# KiCad board gmsl-deserializer.kicad_pcb (continued)
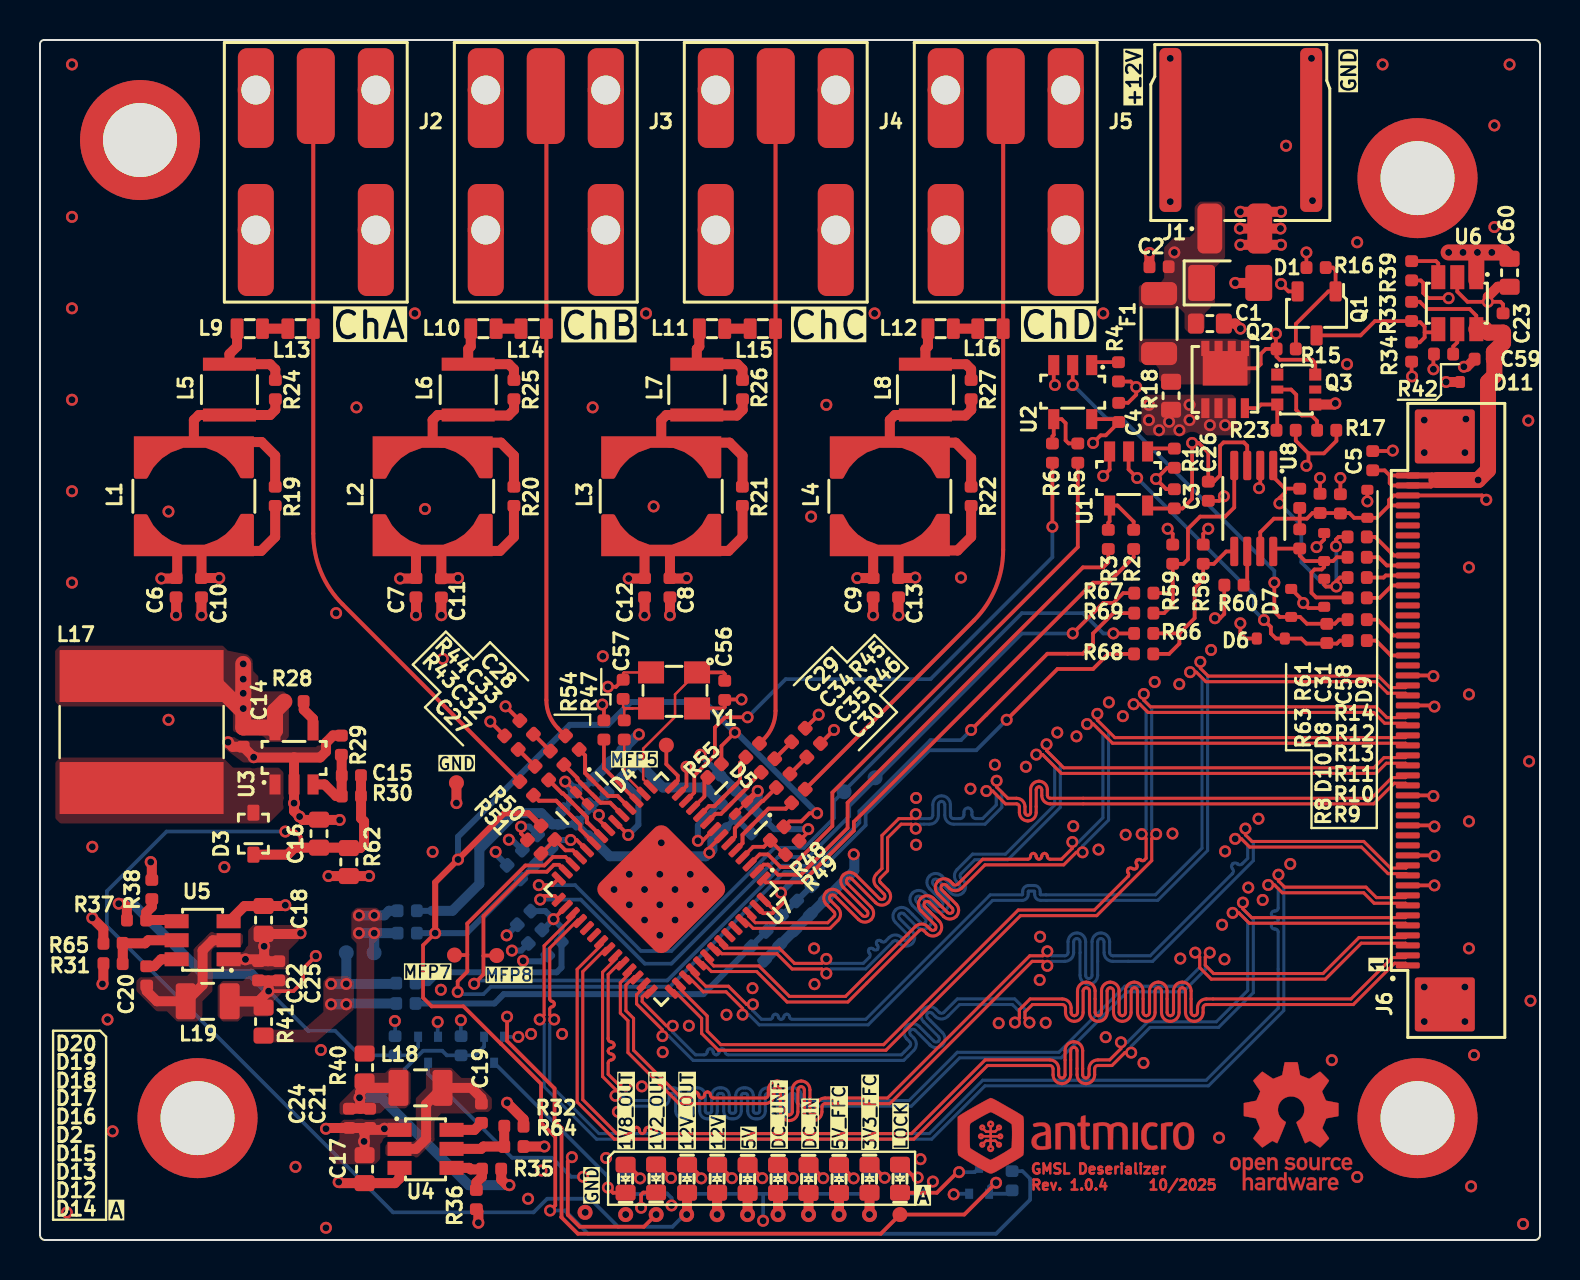
[diagram p0: board, top side]
## Routing (per net, layer and track width the routed paths; a pad name or vN(x,y) marks a point on that pad's centre or on a via; arc(x,y) is an arc through that point) (continued)
  Top w0.187: Q3.6 63.76,43.86 63.6,44.01 61.98,44.01 61.82,44.17 61.82,44.55 ; Q2.5 60.83,43.59 61.03,43.79 61.03,44.3 61.29,44.55 61.82,44.55 61.82,44.55 ; 61.82,44.55 61.8,44.58 v1(61.8,45.31)
  Top w0.5: D15.2 v1(38.43,1.27)
  In2.Cu w0.187: v1(61.8,45.31) 64.84,48.36 64.84,55.86 66.56,57.57 72.03,57.57 73.59,56.01 73.59,49.12 73.28,48.82 73.28,2.38 71.62,0.71 39.09,0.71 38.43,1.37
/Connectors/DC_UNFUSED: length 115.2
  Top w0.5: D2.2 v1(36.9,1.27)
  In2.Cu w0.187: 36.9,1.37 37.91,0.36 71.71,0.36 73.6,2.25 73.6,48.69 73.9,48.99 73.9,56.13 72.16,57.88 63.95,57.88 56.72,50.65 v1(56.72,49.38)
/Connectors/FFC_3V3: length 83.5
  Top w0.187: v1(72.31,37.01) 72.1,37.23 J6.48 67.68,37.23 67.45,37 67.45,36.73 ; 62.96,36.07 61.69,36.07 61.01,35.39 U8.7 ; 62.96,36.07 62.99,36.09 62.99,36.6 ; 62.96,36.07 62.99,36.04 62.99,35.54 ; 62.96,36.07 63.34,36.07 63.63,36.35 65.47,36.35 65.7,36.11 D9.2 66.84,36.11 67.45,36.73 ; 67.45,36.73 J6.47
  Top w0.5: D12.2 v1(41.48,1.27)
  In2.Cu w0.187: v1(72.31,37.01) 72.87,36.45 72.87,2.41 71.53,1.06 41.79,1.06 41.48,1.37
/Connectors/FFC_5V: length 92.3
  Top w0.187: J6.49 67.6,37.73 67.48,37.85 67.48,38.23 ; 67.48,38.23 67.23,38.48 66.64,38.48 ; 67.48,38.23 J6.50 ; U6.6 71.82,46.22 71.48,46.55 69.35,46.55 68.99,46.91 68.58,46.91
  Top w0.3: J6.50 69.59,38.23 69.82,38 69.55,37.73 J6.49
  Top w0.5: D13.2 v1(39.95,1.27)
  Top w0.8: U6.6 71.84,45.57 72.21,45.57 72.41,45.37 73.15,45.37 73.15,44.86 72.69,44.4 72.69,44.04 72.72,44.02 72.72,43.22 72.4,42.9 72.4,38.49 v1(71.91,38) 69.82,38
  In2.Cu w0.187: v1(71.91,38) 71.77,37.87 71.77,36.55 72.56,35.76 72.56,2.54 71.48,1.46 42.12,1.46 41.69,1.89 40.47,1.89 39.95,1.37
/Connectors/MFP0: length 26
  Top w0.187: 36.14,18.03 36.29,17.88 38.11,17.88 40.69,20.47 40.69,20.91 52.65,32.87 53.41,32.87 54.68,34.14 54.68,34.54
/Connectors/MFP1: length 25.9
  Top w0.187: 35.79,18.38 36.18,18.77 36.4,18.77 36.9,18.26 38.05,18.26 40.38,20.6 40.38,21.87 52.14,33.63 53.16,33.63 53.41,33.88 53.41,34.54
/Connectors/MFP2: length 28.8
  Top w0.187: 51.89,38.86 51.89,34.65 39.62,22.37 39.62,20.7 37.56,18.64 37.03,18.64 36.4,19.28 35.98,19.28 35.44,18.74
/Connectors/MFP3: length 29.4
  Top w0.187: v1(35.38,26.14) 34.26,26.14 33.74,25.62 33.74,24.25 32.71,23.22 32.71,22.37 32.26,21.92 ; v1(50.62,35.66) 50.62,38.86
  Bottom w0.187: v1(50.62,35.66) 50.62,34.14 44.52,28.04 37.29,28.04 v1(35.38,26.14)
/Connectors/MFP4: length 54.1
  Top w0.187: v1(47.8,2.86) 46.21,1.27 TP1.1 42.04,0.31 26.89,0.31 26.07,1.14 26.08,1.15 26.08,5.6 25.73,5.94 25.73,7.58 23.35,9.95 v1(23.35,11.16) ; v1(32.32,23.66) 32.32,22.69 31.9,22.27
  In2.Cu w0.187: v1(32.32,23.66) 31.2,22.54 31.2,20.85 28.01,17.66 28.01,16.04 23.35,11.38 v1(23.35,11.16)
  Bottom w0.187: R73.1 48.43,2.31 Q6.1 47.45,2.66 47.65,2.86 v1(47.8,2.86)
/Connectors/MFP5: length 2.5
  Top w0.187: TP2.1 31.32,23.79 31.89,23.22 31.89,22.96 31.55,22.62
/Connectors/MFP7: length 52.4
  Top w0.187: TP3.1 21.35,14.25 21.36,14.26 ; v1(48.33,26.01) 50.87,28.55 52.65,28.55 53.41,29.31 54.7,29.31 ; 21.36,14.26 21.36,15.82 24.27,18.73 25.22,18.73 25.64,19.15 26.27,19.15 26.69,18.74 ; 21.36,14.26 21.36,13.41 20.88,12.93 v1(20.88,12.4)
  Bottom w0.187: v1(48.33,26.01) 46.81,24.49 44.46,24.49 41.28,21.31 41.28,20.73 38.95,18.4 37.23,18.4 31.49,12.66 22.54,12.66 22.17,12.29 20.99,12.29 v1(20.88,12.4)
/Connectors/MFP8: length 50.9
  Top w0.187: v1(21.71,12.81) 22.17,13.28 22.17,14.21 ; v1(46.56,25.5) 50.37,29.31 52.14,29.31 52.65,29.82 52.65,30.33 53.67,31.34 54.71,31.34 ; TP4.1 22.18,14.22 22.17,14.21 ; 22.17,14.21 22.17,16.19 24.4,18.41 25.35,18.41 25.69,18.76 25.96,18.76 26.33,18.38
  Bottom w0.187: v1(21.71,12.81) 21.87,12.97 31.36,12.97 37.1,18.71 38.82,18.71 40.97,20.86 40.97,21.44 44.52,24.99 46.05,24.99 v1(46.56,25.5)
/Connectors/PoCA: length 38.8
  Top w0.2: 13.66,58.09 13.79,58.21 ; 23.99,22.92 15.13,31.78 arc(14.04,33.41) 13.66,35.32 L13.2 13.66,57.17 13.79,57.3 ; 13.66,57.63 13.79,57.76
/Connectors/PoCB: length 32.5
  Top w0.2: 25.29,57.3 25.32,57.27 L14.2 25.32,26.99 arc(25.47,26.23) 25.9,25.58 26.27,25.21 ; 25.32,57.73 25.29,57.76
/Connectors/PoCC: length 32.7
  Top w0.2: 36.78,57.75 36.79,57.76 ; 35.98,24.83 36.19,25.04 arc(36.62,25.69) 36.78,26.46 L15.2 36.78,57.29 36.79,57.3
/Connectors/PoCD: length 38.9
  Top w0.2: 38.26,22.54 46.69,30.97 arc(47.78,32.6) 48.16,34.51 L16.2 48.16,57.17 48.29,57.3 ; 48.16,57.63 48.29,57.76
/Connectors/SCL: length 40.1
  Top w0.187: 54.71,32.34 54.16,32.34 53.67,31.85 53.16,31.85 v1(51.64,30.33) ; v1(25.01,17.02) 25.19,17.2 25.74,17.2 U7.29
  Bottom w0.187: v1(25.01,17.02) 27.04,17.02 30.24,13.82 31.57,13.82 36.9,19.15 38.43,19.15 40.46,21.18 40.46,21.69 49.1,30.33 v1(51.64,30.33)
/Connectors/SCL_CAM: length 13.6
  Top w0.187: 65.38,35.15 64.93,35.15 64.8,35.02 v1(64.8,34.69) ; 62.25,37.57 62.25,37.36 61.97,37.09 v1(61.97,36.83) ; 62.25,37.57 62.99,37.57 ; 62.25,37.57 61.66,38.16 U8.1 ; 64.21,33.19 64.21,32.76 64.3,32.67 v1(64.81,32.67) 64.81,32.94 65,33.12 65.38,33.12
  Bottom w0.187: v1(64.8,34.69) 64.81,34.67 v1(64.81,32.67) 64.28,32.67 63.07,33.88 63.07,35.74 v1(61.97,36.83)
/Connectors/SCL_CAM0: length 2.1
  Top w0.187: 66.35,33.12 67.18,33.12 67.29,33.23 J6.40
/Connectors/SCL_CAM1: length 2.4
  Top w0.187: J6.42 67.68,34.23 66.76,35.15 66.35,35.15
/Connectors/SDA: length 40.2
  Top w0.187: 54.7,30.33 54.7,30.33 v1(53.67,30.33) ; v1(24.94,17.74) 25.61,17.74 U7.28
  Bottom w0.187: v1(24.94,17.74) 26.76,17.74 30.05,14.45 31.57,14.45 36.73,19.61 38.21,19.61 39.7,21.1 39.7,21.95 49.1,31.34 52.14,31.34 53.16,30.33 v1(53.67,30.33)
/Connectors/SDA_CAM: length 8.3
  Top w0.187: 65.38,34.14 64.84,34.14 64.65,33.95 D8.2 ; D8.2 63.26,33.95 62.99,34.22 62.99,34.57 61.8,34.57 U8.8 ; D8.2 64.21,33.65 64.09,33.53 63.73,33.53 63.57,33.38 63.57,32.36 63.81,32.13 65.35,32.13 65.38,32.11
/Connectors/SDA_CAM0: length 2.3
  Top w0.187: 66.35,32.11 66.98,32.11 67.6,32.73 J6.39
/Connectors/SDA_CAM1: length 2.2
  Top w0.187: J6.41 67.34,33.73 66.93,34.14 66.35,34.14
/Connectors/VSYNC_CAM0: length 16.2
  Top w0.187: U1.2 54.43,38.53 v1(54.86,38.1) ; 65.38,29.97 64.99,29.97 64.84,29.82 64.36,29.82 64.34,29.84 64.32,29.82 63.32,29.82 63.07,30.07 61.8,30.07 61.54,30.33 61.54,30.66 v1(61.2,31)
  Bottom w0.187: v1(54.86,38.1) 60.7,32.26 60.7,31.5 v1(61.2,31)
/Connectors/VSYNC_CAM1: length 21
  Top w0.187: v1(51.64,42.75) U2.2 ; v1(61.72,32.87) 61.72,31.42 61.99,31.15 D7.2 63,31.15 63.34,30.81 64.74,30.81 64.95,31.02 65.38,31.02
  Bottom w0.187: v1(61.72,32.87) 61.72,33.46 54.1,41.08 53.33,41.08 51.66,42.75 v1(51.64,42.75)
/Deserializer/CAP_VDD: length 14.8
  Top w0.187: v1(29.41,20.25) 28.81,20.86 ; 33.67,20.5 33.13,19.96 v1(32.89,19.96)
  Bottom w0.3: v1(32.89,19.96) 32.89,20.73 34.02,21.86 ; v1(29.41,20.25) 29.92,20.76 29.92,22.2 29.12,23 29.12,23.13 ; C38.2 C41.2
  Bottom w0.5: C44.2 C47.2 31.15,22.62 C41.2 ; 29.12,23.13 29.91,23.92
/Deserializer/CFG0: length 2.8
  Top w0.187: 35.08,19.09 35.66,19.66 36.19,19.66 36.51,19.98 37.17,19.32 37.2,19.32
/Deserializer/CFG1: length 2.7
  Top w0.187: 27.04,19.09 26.65,19.48 26.27,19.48 R50.1 25.73,20 25.05,19.32
/Deserializer/PWDNB: length 1.9
  Top w0.187: 33.39,23.13 33.22,22.96 33.22,22.17 32.61,21.56
/Deserializer/SIOA_N: length 4
  Top w0.2: 28.1,20.15 27.37,20.88 27.34,20.88 27.34,21.14 D4.7 D4.4 26.15,22.33 26.11,22.33 25.44,23
/Deserializer/SIOA_P: length 4.2
  Top w0.2: 24.67,22.24 24.95,21.96 25.81,21.96 D4.5 27.01,20.76 27.01,20.53 27.75,19.8
/Deserializer/SIOB_N: length 4.1
  Top w0.2: 29.16,21.21 28.51,21.86 28.03,21.86 D4.9 D4.2 26.87,23.02 26.87,23.09 26.2,23.76
/Deserializer/SIOB_P: length 4.3
  Top w0.2: 29.52,21.56 28.88,22.2 28.4,22.2 D4.10 D4.1 27.25,23.35 27.25,24.23 26.96,24.52
/Deserializer/SIOC_N: length 3.8
  Top w0.2: 33.32,20.86 33.77,21.31 34.05,21.31 D5.4 35.38,22.64 35.38,22.71 36.05,23.38
/Deserializer/SIOC_P: length 4.1
  Top w0.2: 32.96,21.21 33.45,21.69 33.73,21.69 D5.6 D5.5 35,22.97 35,23.85 35.29,24.14
/Deserializer/SIOD_N: length 3.9
  Top w0.2: 36.82,22.62 36.14,21.95 36.1,21.95 D5.2 D5.9 34.75,20.59 34.75,20.17 34.38,19.8 34.38,19.8
/Deserializer/SIOD_P: length 4.1
  Top w0.2: 34.73,19.44 35.13,19.84 35.13,20.26 D5.10 D5.1 36.43,21.57 37.29,21.57 37.58,21.86
/Deserializer/VTERM: length 13.2
  Top w0.187: 26.33,16.7 25.99,16.36 v1(25.67,16.04)
  Bottom w0.3: v1(25.67,16.04) 25.27,16.45 24.55,16.45 ; v1(25.67,16.04) 25.14,15.51 C53.2 ; v1(25.67,16.04) 26.07,15.64 26.07,13.62 25.84,13.39 19.96,13.39 19.42,12.84 18.78,12.84
/Deserializer/X1: length 8.8
  Top w0.125: 30.58,22.62 30.16,23.04 30.16,24.57 31.75,26.16 31.75,27.28 Y1.1
  Top w0.187: Y1.1 34.16,28.38 34.24,28.3 34.24,27.97
/Deserializer/X2: length 3.1
  Top w0.125: 29.21,24.91 29.21,23.28 30.22,22.27
/Deserializer/X2_R: length 2.8
  Top w0.125: 29.21,25.99 29.21,26.58 29.63,26.58 ; 29.16,27.05 29.16,26.65 29.22,26.58 29.63,26.58 ; 29.63,26.58 Y1.3
/Deserializer/XRES: length 3.8
  Top w0.187: 29.87,21.92 28.2,23.59 28.2,25.02
/Power/EN_1V2: length 3.8
  Top w0.5: U5.5 5.41,14.99 5.25,14.83 4.14,14.83 4.14,13.82
/Power/EN_1V8: length 3.7
  Top w0.5: 23.21,5.69 23.21,4.67 22.17,4.67 22.05,4.56 U4.5
/Power/EN_12V: length 1.6
  Top w0.5: 13.19,26.92 13.19,26.52 13.65,26.05 13.65,25.48
/Power/FB_1V2: length 2.7
  Top w0.5: U5.4 6.77,16 5.31,16 5.31,16.38 5.59,16.66 5.59,17.04
/Power/FB_1V8: length 2.7
  Top w0.5: U4.4 21.46,3.61 21.54,3.53 22.08,3.53 22.09,3.54 22.09,3.15 21.82,2.87 21.82,2.51
/Power/FB_12V: length 3.7
  Top w0.5: 13.65,22.78 14.23,22.78 14.81,22.2 15.08,22.2 15.08,23.22 15.08,23.22 15.08,24.24 15.07,24.26
/Power/FFC_5V_EN: length 7.8
  Top w0.187: 69.23,45.38 69.23,45.13 68.98,44.88 68.58,44.88 ; 69.23,45.38 69.23,45.67 69.02,45.89 68.58,45.89 ; 69.23,45.38 69.91,45.38 ; 68.58,45.94 66.74,45.94 66.03,45.23 Q1.3
/Power/FFC_5V_FLG: length 2.2
  Top w0.187: 68.58,48.95 69.8,48.95 69.91,48.83 69.91,47.98
/Power/FFC_5V_ISET: length 1.3
  Top w0.187: 70.66,44.3 70.66,44.68 70.86,44.88 U6.5
/Power/OUT_1V2: length 59.1
  Top w0.187: v1(11.43,12.44) 12.67,12.44 13.16,12.93 13.16,13.56 v1(13.79,14.2) ; v1(30.81,1.27) 30.2,0.66 26.99,0.66 26.39,1.26 26.39,3.94 v1(26.59,4.14)
  Top w0.5: 4.34,16 4.34,16.66 4.19,16.82 v1(3.93,16.82) ; 11.41,12.97 10.95,12.97 ; 11.41,12.97 11.97,12.97 ; 11.41,12.97 11.43,12.95 v1(11.43,12.44) 10.92,11.93 9.91,11.93 ; 9.91,11.93 10.89,11.93 11.21,11.62 ; 9.91,11.93 9.51,11.93
  In2.Cu w0.187: v1(13.79,14.2) 13.16,13.56 13.16,8.87 13.92,8.1 23.63,8.1 24.46,7.28 24.46,4.42 24.74,4.14 v1(26.59,4.14)
  Bottom w0.187: Q4.1 18.9,9.65 18.48,9.23 R72.2 15.98,9.23 14.75,10.46 13.41,10.46 v1(11.43,12.44)
  Bottom w0.5: v1(3.93,16.82) 4.65,16.82 8.15,13.31 10.57,13.31 v1(11.43,12.44)
/Power/OUT_1V8: length 29.1
  Top w0.5: 17.53,7.61 L18.2 ; 17.53,7.61 16.55,7.61 R40.1 ; 17.53,7.61 16.23,7.61 16,7.38 16,6.59 16.02,6.57 ; 15.47,6.57 16.02,6.57 ; 16.02,6.57 16.48,6.57 ; 23.06,3.56 23.06,3.02 23.34,2.74 v1(23.47,2.74)
  In2.Cu w0.187: v1(23.47,2.74) 26.72,2.74 28.19,1.27 v1(29.28,1.27)
  Bottom w0.187: Q5.1 22.2,9.67 21.76,9.23 R74.2 20.34,9.23 20.11,9.46 19.16,9.46 18.24,8.55 18.24,8.29 17.07,7.11
  Bottom w0.5: v1(23.47,2.74) 21.44,2.74 17.07,7.11 v1(15.97,7.11)
/Power/OUT_12V: length 59.8
  Top w0.187: v1(12.27,20.42) 12.77,20.42 13.03,20.17 13.03,19.66 12.99,19.62
  Top w0.5: D18.2 32.35,1.29 v1(32.33,1.27) ; D3.1 12.38,19.27 12.73,19.62 C16.2 15.42,19.62 R62.1 16.01,19.6 16.2,19.79 16.2,20.93 16.05,21.08 16.05,22.2 16.05,22.2 16.05,23.22 ; 32.35,1.39 32.33,1.37
  Bottom w0.187: v1(12.27,20.42) 6.33,20.42 3.34,17.44 3.34,15.69 17.65,1.38 24.68,1.38 25.36,2.06 27.5,2.06 28.9,0.66 31.62,0.66 32.33,1.37
/Power/SW_1V2: length 6.9
  Top w0.5: 7.31,11.93 8.13,12.75 8.13,14.48 8.64,14.98 9.46,14.98 ; 5.34,12.72 5.34,12.44 5.84,11.94 L19.1
/Power/SW_1V8: length 6.9
  Top w0.5: U4.2 18.8,4.56 19.31,5.06 19.31,6.79 L18.1 20.12,7.61 21.56,7.61 22.07,7.1 22.07,6.82
Net-(C32-Pad2): length 1.2
  Top w0.2: 23.91,24.52 24.75,23.69
Net-(C33-Pad2): length 1.2
  Top w0.2: 25.51,24.45 24.67,25.29
Net-(C34-Pad2): length 1.2
  Top w0.2: 36.74,24.07 37.58,24.91
Net-(C35-Pad2): length 1.2
  Top w0.2: 37.5,23.3 38.34,24.14
Net-(D2-C): length 1.8
  Top w0.187: D2.1 36.98,3.75 v1(37.64,3.09)
  Bottom w0.187: v1(37.64,3.09) 37.48,3.26 R7.2
Net-(D12-C): length 1.8
  Top w0.187: v1(42.23,3.11) 41.58,3.76 D12.1
  Bottom w0.187: R70.2 42.08,3.27 v1(42.23,3.11)
Net-(D13-C): length 1.8
  Top w0.187: D13.1 40.01,3.75 v1(40.68,3.08)
  Bottom w0.187: R71.2 40.52,3.25 v1(40.68,3.08)
Net-(D14-A): length 2.1
  Top w0.187: v1(43.88,3.12) 43.72,3.12 43.08,3.76 D14.2
  Bottom w0.187: v1(43.88,3.12) 43.74,3.27 R82.1
Net-(D14-C): length 4.5
  Top w0.187: D14.1 44.84,2.36 45.87,3.39 v1(45.95,3.39)
  Bottom w0.187: v1(45.95,3.39) 46.73,3.39 Q6.3
Net-(D15-C): length 1.8
  Top w0.187: v1(39.16,3.09) 38.5,3.75 D15.1
  Bottom w0.187: v1(39.16,3.09) 38.99,3.27 R76.2
Net-(D16-C): length 1.8
  Top w0.187: v1(36.11,3.09) 35.45,3.75 D16.1
  Bottom w0.187: R77.2 35.94,3.27 v1(36.11,3.09)
Net-(D17-C): length 1.9
  Top w0.187: D17.1 33.93,3.76 34.59,3.1 v1(34.59,3.09)
  Bottom w0.187: R75.2 34.4,3.29 v1(34.59,3.09)
Net-(D18-C): length 1.8
  Top w0.187: D18.1 32.46,3.76 33.06,3.16 v1(33.06,3.08)
  Bottom w0.187: v1(33.06,3.08) 32.88,3.27 R78.2
Net-(D19-A): length 1.8
  Top w0.187: v1(31.55,3.1) 30.88,3.77 D19.2
  Bottom w0.187: v1(31.55,3.1) 31.37,3.29 R80.1
Net-(D19-C): length 15.7
  Top w0.187: v1(30.05,1.61) 30.05,2.26 30.16,2.37 D19.1
  In2.Cu w0.187: v1(27.15,3.16) 27.15,2.76 28,1.91 29.75,1.91 v1(30.05,1.61)
  Bottom w0.187: Q4.3 19.4,8.31 23.6,4.11 25.6,4.11 26.55,3.16 v1(27.15,3.16)
Net-(D20-A): length 1.8
  Top w0.187: v1(30,3.08) 30,3.14 29.38,3.76 D20.2
  Bottom w0.187: R81.1 29.83,3.26 v1(30,3.08)
Net-(D20-C): length 9.6
  Top w0.187: D20.1 28.65,2.36 v1(28.39,2.62)
  Bottom w0.187: Q5.3 28.39,3.17 v1(28.39,2.62)
Net-(J6-Pad32): length 2.4
  Top w0.187: 66.35,29.97 66.8,29.97 67.54,29.23 J6.32
Net-(J6-Pad34): length 2.4
  Top w0.187: J6.34 67.67,30.23 66.88,31.02 66.35,31.02
Net-(L1-Pad2): length 11.8
  Top w0.5: 11.76,37.67 11.76,39.22 11.08,39.9 L1.2 7.69,41 7.95,41.25 L5.1 11.5,41.25 11.77,41.51 11.77,42.04
Net-(L2-Pad2): length 11.4
  Top w0.5: 23.7,42.01 23.7,41.51 23.41,41.22 21.41,41.22 ; L6.1 19.89,41.25 19.63,41 L2.2 ; 20.05,39.87 23.05,39.87 23.7,39.22 23.7,37.64
Net-(L3-Pad2): length 11.4
  Top w0.5: 31.48,39.87 34.48,39.87 35.13,39.22 35.13,37.64 ; 35.13,42.01 35.13,41.51 34.84,41.22 32.84,41.22 ; L3.2 31.06,41 31.32,41.25 L7.1
Net-(L4-Pad2): length 11.3
  Top w0.5: L8.1 42.75,41.25 42.49,41 L4.2 ; 44.27,41.22 46.27,41.22 46.56,41.51 46.56,42.01 ; 42.92,39.87 45.78,39.87 46.56,39.09 46.56,37.64
Net-(L5-Pad2): length 4.9
  Top w0.5: L9.1 9.85,44.68 9.47,44.3 L5.2 11.5,43.79 11.77,43.53 11.77,43.01
Net-(L10-Pad1): length 4.8
  Top w0.5: 21.54,45.57 21.54,44.68 21.41,44.55 L6.2 23.44,43.79 23.7,43.54 23.7,43.01
Net-(L10-Pad2): length 1.2
  Top w0.5: L10.2 24.05,45.57
Net-(L11-Pad1): length 4.8
  Top w0.5: 35.13,43.01 35.13,43.54 34.87,43.79 L7.2 32.84,44.55 32.97,44.68 L11.1
Net-(L11-Pad2): length 1.3
  Top w0.5: L11.2 L15.1
Net-(L12-Pad1): length 4.8
  Top w0.5: 46.56,43.01 46.56,43.54 46.3,43.79 L8.2 44.27,44.55 44.4,44.68 L12.1
Net-(L12-Pad2): length 1.2
  Top w0.5: 45.67,45.57 46.89,45.57
Net-(L13-Pad1): length 1.3
  Top w0.5: L9.2 L13.1
Net-(Q1-G): length 5.5
  Top w0.187: 62.79,44.55 62.79,45.8 64.42,47.43 Q1.1 64.78,48.48 64.64,48.62 64.29,48.62
Net-(Q2-G): length 3
  Top w0.187: 61.82,40.53 61.82,40.49 61.86,40.53 Q3.3 61.05,41.78 60.87,41.59 Q2.4
Net-(Q3-REF): length 3.5
  Top w0.187: 63.85,40.49 63.85,40.95 63.57,41.23 63.09,41.23 62.81,41.5 62.81,42.27 62.56,42.52 Q3.2
Net-(U1-Y): length 3.2
  Top w0.187: 53.41,35.51 53.41,35.87 53.48,35.93 53.48,36.73 53.88,36.73 54.68,35.92 54.68,35.51
Net-(U1-~{OE}): length 1.4
  Top w0.187: U1.1 55.53,39.58 56.72,39.58
Net-(U2-Y): length 3.5
  Top w0.187: 50.62,39.83 50.62,40.18 50.69,40.25 U2.4 51.08,41.04 51.28,40.84 51.28,39.98 51.43,39.83 51.89,39.83
Net-(U2-~{OE}): length 1.4
  Top w0.187: U2.1 52.74,43.89 53.92,43.89
Net-(U4-BST): length 1.6
  Top w0.5: 22.07,5.85 21.72,5.51 U4.6
Net-(U5-BST): length 1.6
  Top w0.5: 5.34,13.69 5.71,13.69 6.06,14.04 U5.6
Net-(U8-A_{1}): length 9.1
  Top w0.187: 56.97,30.33 57.73,31.09 57.73,32.59 58.16,33.02 58.16,33.81 58.69,33.81 59.31,34.43 U8.5 ; 56.97,30.33 56.97,30.33 55.67,30.33 ; 56.97,30.33 56.97,29.82 56.45,29.31 55.67,29.31
Net-(U8-A_{2}): length 11.8
  Top w0.187: 56.64,32.79 56.64,32.34 55.68,32.34 ; 56.64,32.79 56.64,31.77 56.21,31.34 55.68,31.34 ; 56.64,32.79 56.64,33.81 57.17,33.81 57.4,34.04 57.4,35.56 58.01,36.17 59.26,36.17 59.71,36.63 U8.4
Net-(U8-OE): length 1.8
  Top w0.187: 60.18,32.74 60.36,32.92 U8.6

## Copper pours and planes (outline as drawn; the poured copper is in the pictures)
+1V2 on Top: 15.7,12.93 15.7,11.53 13.79,9.88 10.74,9.88 10.74,10.52 13.16,10.52 14.17,11.41 14.17,12.93 14.42,13.18 15.44,13.18
+1V8 on Top: 17.09,16.36 17.09,15.22 16.71,14.83 16.71,9.12 16.58,8.99 15.95,8.99 15.82,9.12 15.82,14.83 15.57,15.09 15.57,16.36 15.82,16.61 16.84,16.61
+5V on Top: 9.39,29.47 10.37,29.27 10.63,29.02 10.66,28.45 10.92,28.2 10.92,27.69 11.17,27.43 12.19,27.43 12.44,27.18 12.44,25.15 12.19,24.89 11.17,24.89 10.92,25.15 9.9,25.15 9.65,25.4 9.65,26.42 9.39,26.67 1.01,26.67 0.76,26.93 0.76,29.47 1.01,29.72 9.14,29.72
+12V on Top: 59.89,42.01 59.89,40.52 59.64,40.23 55.32,40.23 55.07,40.52 55.07,42.01 55.32,42.27 59.64,42.27
+12V on In2.Cu: 66.03,42.14 66.03,40.64 65.27,40.13 51.38,40.13 47.83,36.68 45.29,36.68 44.44,35.92 44.44,33.12 43.68,32.49 18.62,32.49 17.98,31.85 17.98,17.63 17.35,16.99 13.41,16.99 12.77,16.36 12.77,8.36 13.41,7.72 23.57,7.72 24.2,7.09 24.2,2.39 23.57,1.75 14.68,1.75 14.04,2.39 14.04,5.82 13.41,6.45 12.14,6.45 11.5,7.09 11.5,11.53 10.49,12.8 3.25,12.8 2.61,13.44 2.61,14.83 3.25,15.47 9.73,15.47 10.36,16.1 10.36,18.9 11,19.53 15.31,19.53 15.95,20.17 15.95,31.85 15.31,32.49 5.66,32.49 5.03,33.12 5.03,34.9 5.66,35.41 40.13,35.41 40.89,35.92 40.89,39.22 41.65,39.98 45.79,39.98 48.84,42.93 65.27,42.93
GND on Top: 14.47,4.04 14.47,4.55 14.98,5.06 14.98,5.82 15.23,6.07 18.28,6.07 18.53,5.82 18.53,5.06 17.26,5.06 17.01,4.8 17.01,4.04 16.75,3.79 14.72,3.79
GND on Top: 12.95,15.5 12.95,14.99 12.44,14.48 12.44,13.72 12.19,13.46 9.14,13.46 8.88,13.72 8.88,14.48 10.15,14.48 10.41,14.73 10.41,15.5 10.66,15.75 12.69,15.75
GND on Top: 15.31,25.5 15.31,24.99 14.81,24.99 14.55,24.74 14.55,24.39 14.04,23.88 10.15,23.88 9.14,24.64 9.14,24.89 9.39,25.15 10.92,25.15 11.25,24.64 13.79,24.64 14.22,25.15 14.55,25.5
GND on In1.Cu, In2.Cu: 75,0 0,0 0,60 75,60
/Connectors/DC_IN on Top: 60.53,42.77 56.21,42.77 55.95,43.03 55.95,43.54 55.7,43.87 54.94,43.87 54.94,45.06 60.53,45.06
/Connectors/DC_UNFUSED on Top: 59.26,51.66 59.26,49.12 58.75,48.62 58.75,46.84 58.24,46.33 58.24,45.57 57.99,45.31 57.48,45.31 57.22,45.57 57.22,46.33 56.97,46.58 54.94,46.58 54.94,47.75 55.95,47.75 56.21,48.11 56.21,49.63 56.72,50.14 57.48,50.14 57.73,50.39 57.73,51.66 57.99,51.92 59,51.92
/Power/OUT_1V2 on Top: 12.44,13.21 12.44,12.7 11.68,11.94 11.68,11.43 11.42,11.18 10.15,11.18 9.9,10.92 9.14,10.92 8.88,11.18 8.88,12.7 9.14,12.96 10.15,12.96 10.66,13.46 12.19,13.46
/Power/OUT_1V8 on Top: 14.98,6.33 14.98,6.83 15.74,7.6 15.74,8.1 15.99,8.36 17.26,8.36 17.52,8.61 18.28,8.61 18.53,8.36 18.53,6.83 18.28,6.58 17.26,6.58 16.75,6.07 15.23,6.07
/Power/SW_1V2 on Top: 10.15,14.73 9.9,14.48 8.88,14.48 8.63,14.23 8.63,12.45 8.12,11.94 8.12,11.18 7.87,10.92 6.85,10.92 6.34,11.43 5.84,11.43 4.82,12.45 4.82,12.96 5.07,13.21 7.36,13.21 7.61,13.46 7.61,14.48 8.63,15.5 9.9,15.5 10.15,15.24
/Power/SW_1V8 on Top: 17.26,4.8 17.52,5.06 18.53,5.06 18.79,5.31 18.79,7.09 19.29,7.6 19.29,8.36 19.55,8.61 20.56,8.61 21.07,8.1 21.58,8.1 22.6,7.09 22.6,6.58 22.34,6.33 20.06,6.33 19.8,6.07 19.8,5.06 18.79,4.04 17.52,4.04 17.26,4.29
/Power/SW_12V on Top: 9.65,23.62 11.94,23.62 12.19,23.37 12.19,21.59 11.43,20.83 1.02,20.83 0.76,21.08 0.76,23.87 1.02,24.13 9.15,24.13

## Text on the board
B.Silkscreen: 1V2 | 1V8 | SDA | SCL | GND | 1V8_OUT | 1V2_OUT | 12V_OUT | 12V | 5V | DC_UNF | DC_IN | 5V_FFC | 3V3_FFC | PCB SHA: ########
Top: GMSL Deserializer / Rev. ${REVISION}	10/2025
F.Mask: GMSL Deserializer / Rev. ${REVISION}	10/2025
F.Silkscreen: MFP7 | GND | MFP8 | MFP5 | 1V8_OUT | 1V2_OUT | 12V_OUT | 12V | 5V | DC_UNF | DC_IN | 5V_FFC | 3V3_FFC | LOCK | +12V | 1 | A | ChA | ChB | ChC | ChD
